# Altium PCB MB1272C_PMIC.PcbDoc (part 2 of 10) (continued)
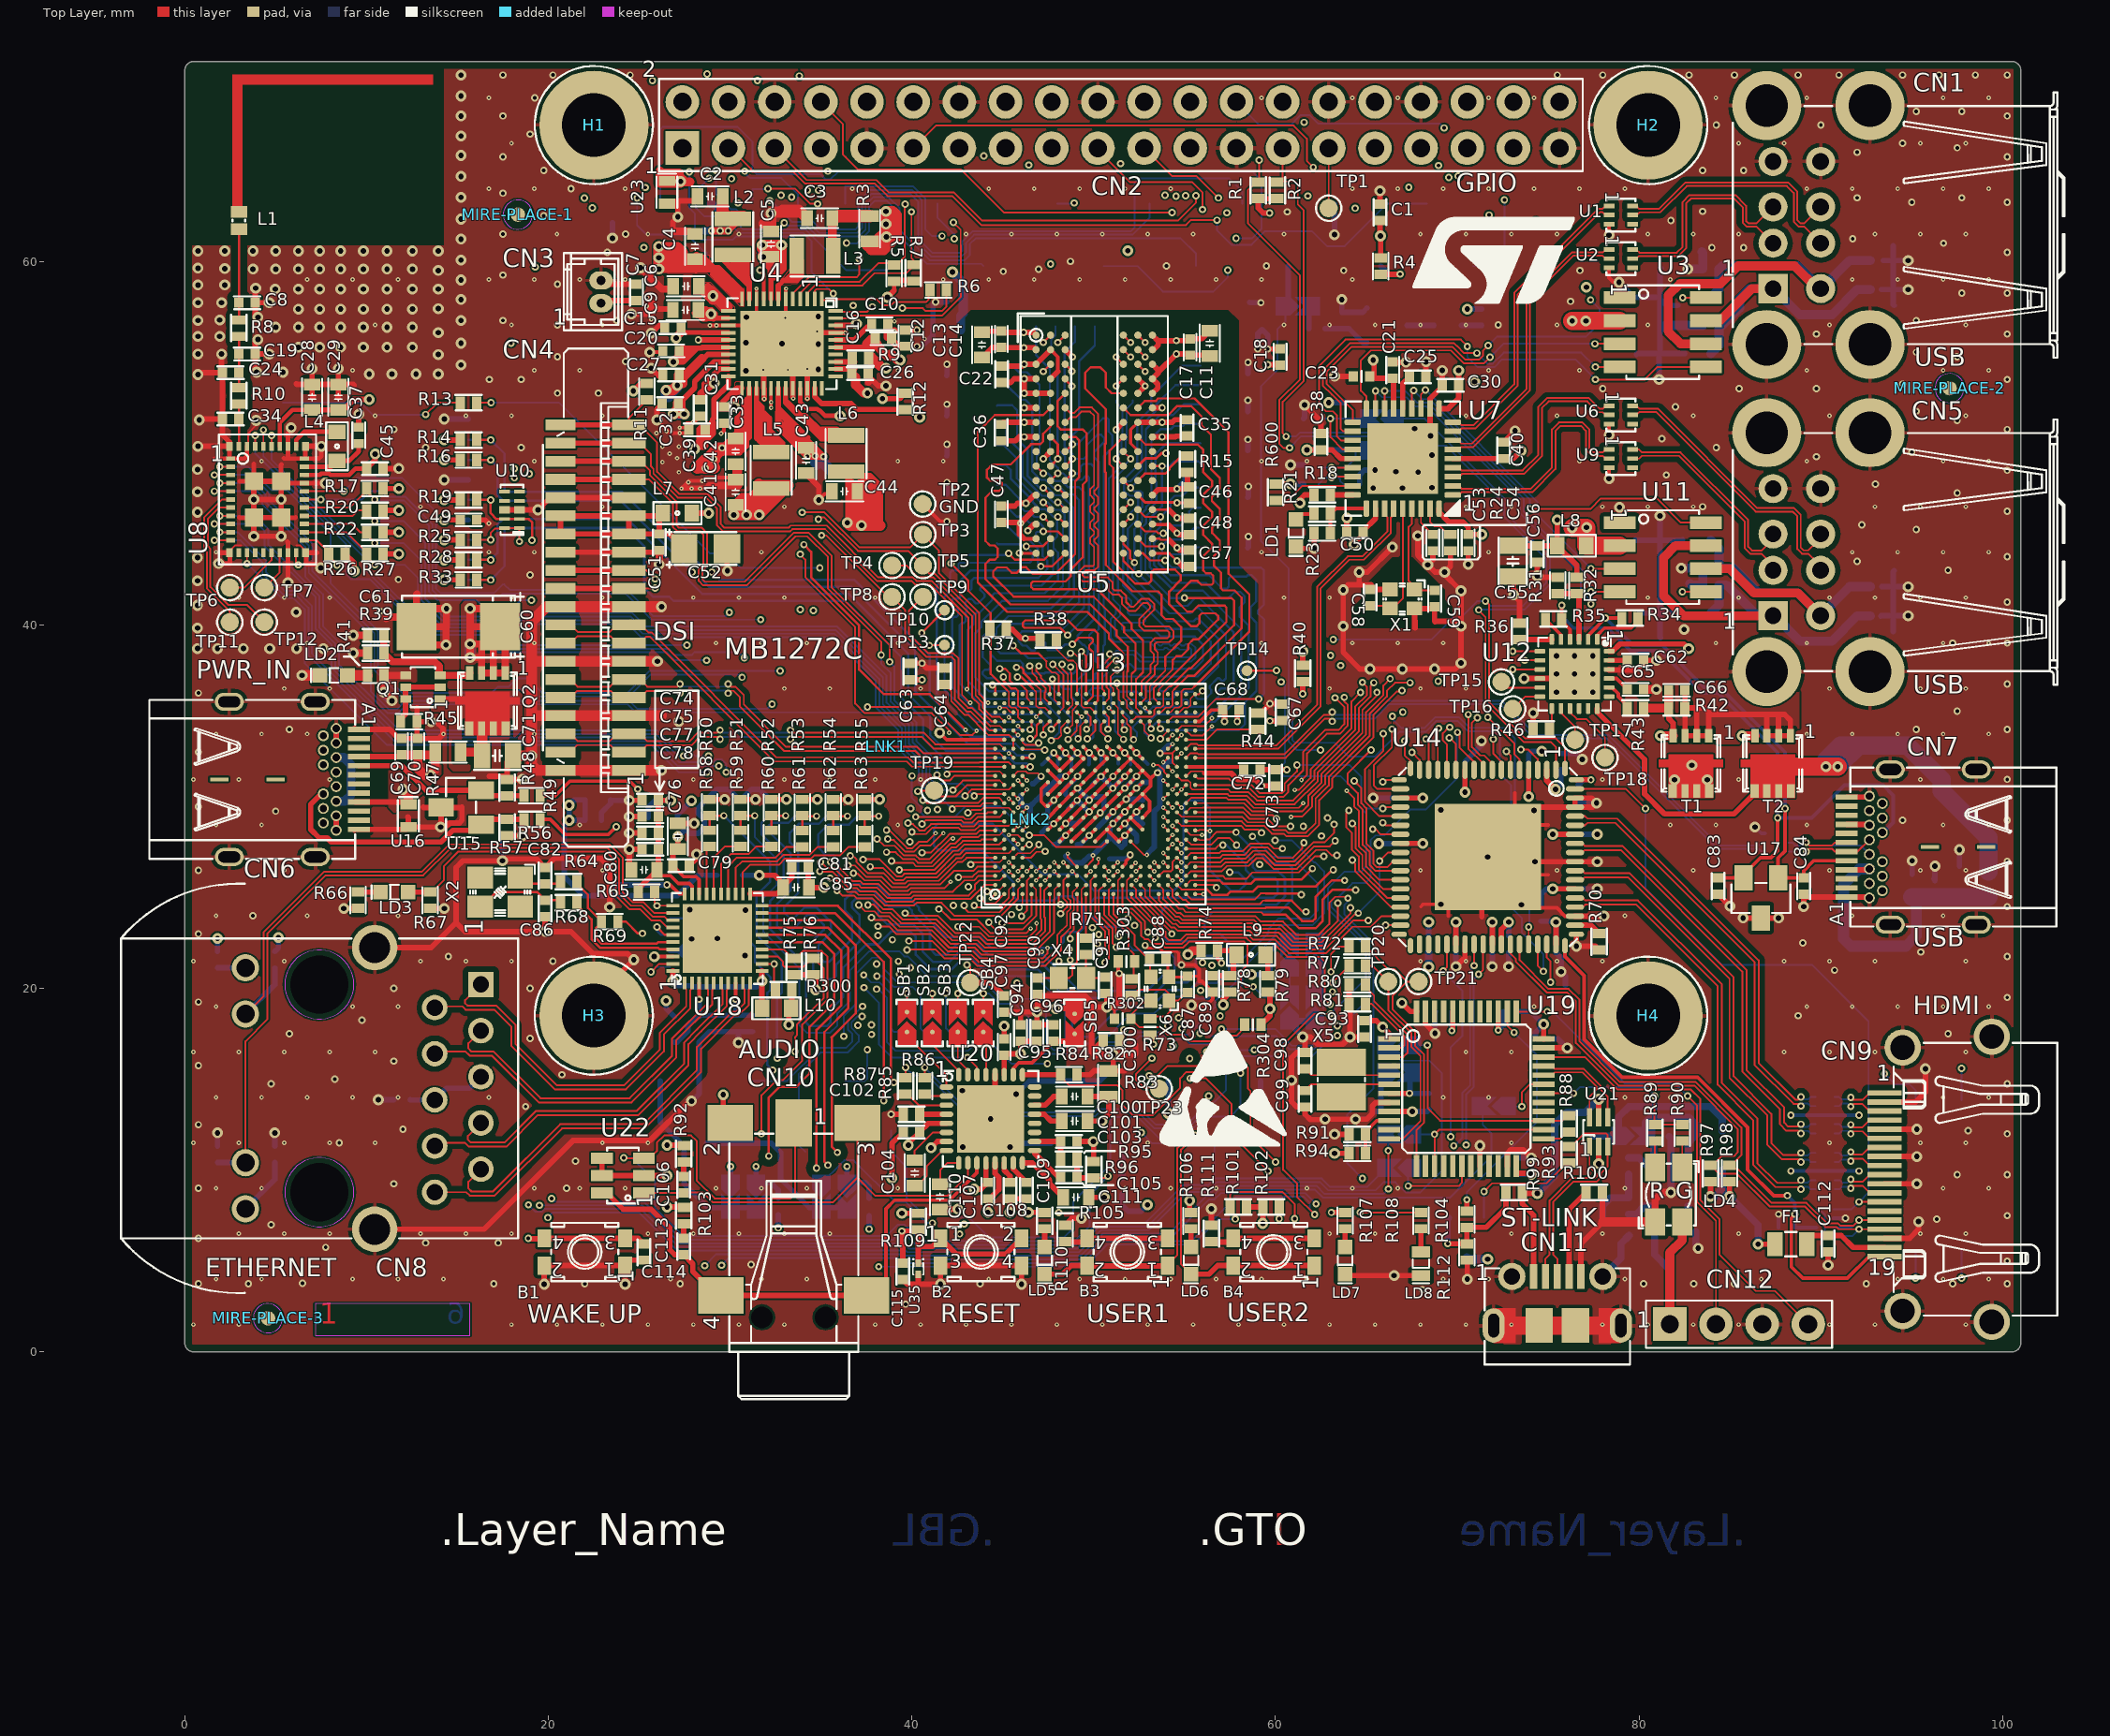
[diagram p0: Top Layer view]
## Footprints (in the part's own frame and the unit in brackets; to place one, negate y for a bottom-side part, rotate by r counter-clockwise, add the part's x,y. Pads: shape width x height; smd on the part's side, far side on the other; paste and mask are expansions set on the pad) (continued)
  silkscreen extent -2.58,-2 2.58,2, body extent -2.57,-3 2.57,3, height 1.75
ICC_TFBGA361_12X12_STM32MP157CAC3_P050-065 [mm] "IPC"
  round 0.23 smd mask+0.05: 1A2(-1.95,2.6) 1A3(-1.3,2.6) 1A4(-0.65,2.6) 1A5(0,2.6) 1A6(0.65,2.6) 1A7(1.3,2.6) 1A8(1.95,2.6) 1B1(-2.6,1.95) 1B2(-1.95,1.95) 1B3(-1.3,1.95) 1B4(-0.65,1.95) 1B5(0,1.95) 1B6(0.65,1.95) 1B7(1.3,1.95) 1B8(1.95,1.95) 1B9(2.6,1.95) 1C1(-2.6,1.3) 1C2(-1.95,1.3) 1C3(-1.3,1.3) 1C4(-0.65,1.3) 1C5(0,1.3) 1C6(0.65,1.3) 1C7(1.3,1.3) 1C8(1.95,1.3) 1C9(2.6,1.3) 1D1(-2.6,0.65) 1D2(-1.95,0.65) 1D3(-1.3,0.65) 1D4(-0.65,0.65) 1D5(0,0.65) 1D6(0.65,0.65) 1D7(1.3,0.65) 1D8(1.95,0.65) 1D9(2.6,0.65) 1E1(-2.6,0) 1E2(-1.95,0) 1E3(-1.3,0) 1E4(-0.65,0) 1E5(0,0) 1E6(0.65,0) 1E7(1.3,0) 1E8(1.95,0) 1E9(2.6,0) 1F1(-2.6,-0.65) 1F2(-1.95,-0.65) 1F3(-1.3,-0.65) 1F4(-0.65,-0.65) 1F5(0,-0.65) 1F6(0.65,-0.65) 1F7(1.3,-0.65) 1F8(1.95,-0.65) 1F9(2.6,-0.65) 1G1(-2.6,-1.3) 1G2(-1.95,-1.3) 1G3(-1.3,-1.3) 1G4(-0.65,-1.3) 1G5(0,-1.3) 1G6(0.65,-1.3) 1G7(1.3,-1.3) 1G8(1.95,-1.3) 1G9(2.6,-1.3) 1H1(-2.6,-1.95) 1H2(-1.95,-1.95) 1H3(-1.3,-1.95) 1H4(-0.65,-1.95) 1H5(0,-1.95) 1H6(0.65,-1.95) 1H7(1.3,-1.95) 1H8(1.95,-1.95) 1H9(2.6,-1.95) 1J2(-1.95,-2.6) 1J3(-1.3,-2.6) 1J4(-0.65,-2.6) 1J5(0,-2.6) 1J6(0.65,-2.6) 1J7(1.3,-2.6) 1J8(1.95,-2.6) A1(-5.5,5.5) A2(-5,5.5) A3(-4.5,5.5) A4(-4,5.5) A5(-3.5,5.5) A7(-2.5,5.5) A8(-2,5.5) A10(-1,5.5) A11(-0.5,5.5) A13(0.5,5.5) A14(1,5.5) A16(2,5.5) A17(2.5,5.5) A19(3.5,5.5) A20(4,5.5) A21(4.5,5.5) A22(5,5.5) A23(5.5,5.5) AA1(-5.5,-4.5) AA2(-5,-4.5) AA3(-4.5,-4.5) AA4(-4,-4.5) AA5(-3.5,-4.5) AA6(-3,-4.5) AA7(-2.5,-4.5) AA8(-2,-4.5) AA9(-1.5,-4.5) AA10(-1,-4.5) AA11(-0.5,-4.5) AA12(0,-4.5) AA13(0.5,-4.5) AA14(1,-4.5) AA15(1.5,-4.5) AA16(2,-4.5) AA17(2.5,-4.5) AA18(3,-4.5) AA19(3.5,-4.5) AA20(4,-4.5) AA21(4.5,-4.5) AA22(5,-4.5) AA23(5.5,-4.5) AB1(-5.5,-5) AB2(-5,-5) AB3(-4.5,-5) AB4(-4,-5) AB5(-3.5,-5) AB6(-3,-5) AB7(-2.5,-5) AB8(-2,-5) AB9(-1.5,-5) AB10(-1,-5) AB11(-0.5,-5) AB12(0,-5) AB13(0.5,-5) AB14(1,-5) AB15(1.5,-5) AB16(2,-5) AB17(2.5,-5) AB18(3,-5) AB19(3.5,-5) AB20(4,-5) AB21(4.5,-5) AB22(5,-5) AB23(5.5,-5) AC1(-5.5,-5.5) AC2(-5,-5.5) AC3(-4.5,-5.5) AC4(-4,-5.5) AC5(-3.5,-5.5) AC7(-2.5,-5.5) AC8(-2,-5.5) AC10(-1,-5.5) AC11(-0.5,-5.5) AC13(0.5,-5.5) AC14(1,-5.5) AC16(2,-5.5) AC17(2.5,-5.5) AC19(3.5,-5.5) AC20(4,-5.5) AC21(4.5,-5.5) AC22(5,-5.5) AC23(5.5,-5.5) B1(-5.5,5) B2(-5,5) B3(-4.5,5) B4(-4,5) B5(-3.5,5) B6(-3,5) B7(-2.5,5) B8(-2,5) B9(-1.5,5) B10(-1,5) B11(-0.5,5) B12(0,5) B13(0.5,5) B14(1,5) B15(1.5,5) B16(2,5) B17(2.5,5) B18(3,5) B19(3.5,5) B20(4,5) B21(4.5,5) B22(5,5) B23(5.5,5) C1(-5.5,4.5) C2(-5,4.5) C3(-4.5,4.5) C4(-4,4.5) C5(-3.5,4.5) C6(-3,4.5) C7(-2.5,4.5) C8(-2,4.5) C9(-1.5,4.5) C10(-1,4.5) C11(-0.5,4.5) C12(0,4.5) C13(0.5,4.5) C14(1,4.5) C15(1.5,4.5) C16(2,4.5) C17(2.5,4.5) C18(3,4.5) C19(3.5,4.5) C20(4,4.5) C21(4.5,4.5) C22(5,4.5) C23(5.5,4.5) D1(-5.5,4) D2(-5,4) D3(-4.5,4) D4(-4,4) D5(-3.5,4) D6(-3,4) D7(-2.5,4) D8(-2,4) D9(-1.5,4) D10(-1,4) D11(-0.5,4) D12(0,4) D13(0.5,4) D14(1,4) D15(1.5,4) D16(2,4) D17(2.5,4) D18(3,4) D19(3.5,4) D20(4,4) D21(4.5,4) D22(5,4) D23(5.5,4) E1(-5.5,3.5) E2(-5,3.5) E3(-4.5,3.5) E4(-4,3.5) E20(4,3.5) E21(4.5,3.5) E22(5,3.5) E23(5.5,3.5) F2(-5,3) F3(-4.5,3) F4(-4,3) F20(4,3) F21(4.5,3) F22(5,3) G1(-5.5,2.5) G2(-5,2.5) G3(-4.5,2.5) G4(-4,2.5) G20(4,2.5) G21(4.5,2.5) G22(5,2.5) G23(5.5,2.5) H1(-5.5,2) H2(-5,2) H3(-4.5,2) H4(-4,2) H20(4,2) H21(4.5,2) H22(5,2) H23(5.5,2) J2(-5,1.5) J3(-4.5,1.5) J4(-4,1.5) J20(4,1.5) J21(4.5,1.5) J22(5,1.5) K1(-5.5,1) K2(-5,1) K3(-4.5,1) K4(-4,1) K20(4,1) K21(4.5,1) K22(5,1) K23(5.5,1) L1(-5.5,0.5) L2(-5,0.5) L3(-4.5,0.5) L4(-4,0.5) L20(4,0.5) L21(4.5,0.5) L22(5,0.5) L23(5.5,0.5) M2(-5,0) M3(-4.5,0) M4(-4,0) M20(4,0) M21(4.5,0) M22(5,0) N1(-5.5,-0.5) N2(-5,-0.5) N3(-4.5,-0.5) N4(-4,-0.5) N20(4,-0.5) N21(4.5,-0.5) N22(5,-0.5) N23(5.5,-0.5) P1(-5.5,-1) P2(-5,-1) P3(-4.5,-1) P4(-4,-1) P20(4,-1) P21(4.5,-1) P22(5,-1) P23(5.5,-1) R2(-5,-1.5) R3(-4.5,-1.5) R4(-4,-1.5) R20(4,-1.5) R21(4.5,-1.5) R22(5,-1.5) T1(-5.5,-2) T2(-5,-2) T3(-4.5,-2) T4(-4,-2) T20(4,-2) T21(4.5,-2) T22(5,-2) T23(5.5,-2) U1(-5.5,-2.5) U2(-5,-2.5) U3(-4.5,-2.5) U4(-4,-2.5) U20(4,-2.5) U21(4.5,-2.5) U22(5,-2.5) U23(5.5,-2.5) V2(-5,-3) V3(-4.5,-3) V4(-4,-3) V20(4,-3) V21(4.5,-3) V22(5,-3) W1(-5.5,-3.5) W2(-5,-3.5) W3(-4.5,-3.5) W4(-4,-3.5) W20(4,-3.5) W21(4.5,-3.5) W22(5,-3.5) W23(5.5,-3.5) Y1(-5.5,-4) Y2(-5,-4) Y3(-4.5,-4) Y4(-4,-4) Y5(-3.5,-4) Y6(-3,-4) Y7(-2.5,-4) Y8(-2,-4) Y9(-1.5,-4) Y10(-1,-4) Y11(-0.5,-4) Y12(0,-4) Y13(0.5,-4) Y14(1,-4) Y15(1.5,-4) Y16(2,-4) Y17(2.5,-4) Y18(3,-4) Y19(3.5,-4) Y20(4,-4) Y21(4.5,-4) Y22(5,-4) Y23(5.5,-4)
  silkscreen extent -6.25,-6.07 6.07,6.25, body extent -6.07,-6.07 6.07,6.07, height 1.21
ICC_WFQFN44-EPAD_5X6_P040 [mm]
  rect 0.8x0.2 smd mask+0.05: 1(-2.45,2.2) 2(-2.45,1.8) 3(-2.45,1.4) 4(-2.45,1) 5(-2.45,0.6) 6(-2.45,0.2) 7(-2.45,-0.2) 8(-2.45,-0.6) 9(-2.45,-1) 10(-2.45,-1.4) 11(-2.45,-1.8) 12(-2.45,-2.2) 23(2.45,-2.2) 24(2.45,-1.8) 25(2.45,-1.4) 26(2.45,-1) 27(2.45,-0.6) 28(2.45,-0.2) 29(2.45,0.2) 30(2.45,0.6) 31(2.45,1) 32(2.45,1.4) 33(2.45,1.8) 34(2.45,2.2)
  rect 0.2x0.8 smd mask+0.05: 13(-1.8,-2.95) 14(-1.4,-2.95) 15(-1,-2.95) 16(-0.6,-2.95) 17(-0.2,-2.95) 18(0.2,-2.95) 19(0.6,-2.95) 20(1,-2.95) 21(1.4,-2.95) 22(1.8,-2.95) 35(1.8,2.95) 36(1.4,2.95) 37(1,2.95) 38(0.6,2.95) 39(0.2,2.95) 40(-0.2,2.95) 41(-0.6,2.95) 42(-1,2.95) 43(-1.4,2.95) 44(-1.8,2.95)
  rect 3.6x4.6 smd paste-1.8 mask+0.05: ep(0,0)
  silkscreen extent -2.5,-3 2.5,3, body extent -2.5,-3 2.5,3, height 0.81
IND_0402_MURATA_LQW15AN2N4C00X [mm]
  rect 0.65x0.9 smd mask+0.05: 1(-0.475,0) 2(0.475,0)
  silkscreen extent -0.05,-0.35 0.05,0.35, body extent -0.55,-0.35 0.55,0.35, height 0.6
IND_2520_TOKO_DFE252012P [mm]
  rect 0.8x2 smd mask+0.05: 1(-1,0) 2(1,0)
  silkscreen extent -1.35,-1.12 1.35,1.12, body extent -1.35,-1.1 1.35,1.1, height 2
L0603 [mm]
  rect 0.8x0.95 smd mask+0.05: 1(-0.8,0) 2(0.8,0)
  silkscreen extent -1.33,-0.6 1.33,0.6, body extent -0.87,-0.47 0.87,0.47, height 0.95
L1210_LQH [mm]
  rect 1.7x3.1 smd mask+0.05: 1(-1.1,0) 2(1.1,0)
  silkscreen extent -2.05,-1.65 2.05,1.65, body extent -1.75,-1.35 1.75,1.35, height 2
LED_0603_GREEN [mm]
  rect 0.8x0.8 smd mask+0.05: 1(-0.75,0) 2(0.75,0)
  silkscreen extent -0.25,-0.4 1.25,0.4, body extent -0.8,-0.4 0.8,0.4, height 0.6
LED_0603_ORANGE_H0P4 [mm]
  rect 0.8x0.8 smd mask+0.05: 1(-0.75,0) 2(0.75,0)
  silkscreen extent -0.25,-0.4 1.25,0.4, body extent -0.8,-0.4 0.79,0.4, height 0.4
LED_0603_RED [mm]
  rect 0.8x0.8 smd mask+0.05: 1(-0.75,0) 2(0.75,0)
  silkscreen extent -0.25,-0.4 1.25,0.4, body extent -0.8,-0.4 0.8,0.4, height 0.6
LED_0603_SMD-B_BLUE_H0P4 [mm]
  rect 0.6x1 smd mask+0.05: 1(-0.65,0) 2(0.65,0)
  silkscreen extent -0.23,-0.45 1.07,0.45, body extent -0.85,-0.45 0.85,0.45, height 0.5
LED_BI-GR_HSMF-A201-A00J1 [mm]
  rect 1.1x1.5 smd mask+0.05: 1(-0.75,-1.5) 2(-0.75,1.5) 3(0.75,1.5) 4(0.75,-1.5)
  silkscreen extent -1.65,-1.85 1.65,1.85, body extent -1.5,-1.85 1.5,1.85, height 2.1
LINK200#1 [mm]
  rect 0.2x0.35 on Mid4 paste-10 mask+0.05: 1(0,-0.225) 2(0,0.225)
LINK200#2 [mm]
  rect 0.2x0.35 on Mid3 paste-10 mask+0.05: 1(0,-0.225) 2(0,0.225)
MIRE_PLACE_SMD_0P8MM [mm]
  round 0.8 smd paste-10 mask+0.2: 1(0,0)
  Top Layer keep-out circle w0.01: c0,0 r0.804
MOD_WLAN-BT_MURATA_LBEE5KL1DX-883 [mm]
  rect 0.25x0.5 smd mask+0.05: 1(-2.25,-2.025) 2(-1.8,-2.025) 3(-1.35,-2.025) 4(-0.9,-2.025) 5(-0.45,-2.025) 6(0,-2.025) 7(0.45,-2.025) 8(0.9,-2.025) 9(1.35,-2.025) 10(1.8,-2.025) 11(2.25,-2.025) 22(2.25,2.025) 23(1.8,2.025) 24(1.35,2.025) 25(0.9,2.025) 26(0.45,2.025) 27(0,2.025) 28(-0.45,2.025) 29(-0.9,2.025) 30(-1.35,2.025) 31(-1.8,2.025) 32(-2.25,2.025)
  rect 0.5x0.375 smd mask+0.05: 12(2.925,-2.087) 21(2.925,2.087) 33(-2.925,2.087) 42(-2.925,-2.087)
  rect 0.5x0.25 smd mask+0.05: 13(2.925,-1.575) 14(2.925,-1.125) 15(2.925,-0.675) 16(2.925,-0.225) 17(2.925,0.225) 18(2.925,0.675) 19(2.925,1.125) 20(2.925,1.575) 34(-2.925,1.575) 35(-2.925,1.125) 36(-2.925,0.675) 37(-2.925,0.225) 38(-2.925,-0.225) 39(-2.925,-0.675) 40(-2.925,-1.125) 41(-2.925,-1.575)
  rect 1x1 smd mask+0.05: 43(-1,-0.75) 44(1,-0.75) 45(-1,0.75) 46(1,0.75)
  silkscreen extent -3.57,-2.68 3.57,2.68, body extent -3.57,-2.68 3.57,2.68, height 1.11
MOS_POWERFLAT_3P3X3P3_P065 [mm]
  rect 0.4x0.75 smd mask+0.05: 1(-0.975,-1.525) 2(-0.325,-1.525) 3(0.325,-1.525) 4(0.975,-1.525) 6(0.325,1.525) 7(-0.325,1.525)
  rect 0.45x0.75 smd mask+0.05: 5(1,1.525) 8(-1,1.525)
  Top Layer region: -1.755,0.2 -1.755,-0.2 -1.225,-0.2 -1.225,-0.5 1.225,-0.5 1.225,-0.2 1.755,-0.2 1.755,0.2 1.225,0.2 1.225,1.9 -1.225,1.9 -1.225,0.2
  silkscreen extent -1.63,-1.55 1.63,1.55, body extent -1.75,-1.75 1.75,1.75, height 0.91
NPN_SOT23 [mm]
  rect 1x1.4 smd mask+0.05: 1(-0.95,-1.1) 2(0.95,-1.1) 3(0,1.1)
  silkscreen extent -1.63,-0.82 1.63,0.82, body extent -1.56,-1.25 1.56,1.25, height 1.1
PTH_M1261-3005-N_3P5X6_M3_H14 [mm]
  round 6 hole 3.5 mask+0.05: 1(0,0)
  silkscreen extent -3.25,-3.25 3.25,3.25, body extent -2.5,-2.5 2.5,2.5, height 14
R0402 [mm]
  rect 0.51x0.7 smd mask+0.05: 1(-0.45,0) 2(0.45,0)
  silkscreen extent -0.72,-0.43 0.72,0.43, body extent -0.52,-0.3 0.52,0.3, height 0.4
R0603 [mm]
  rect 0.64x1 smd mask+0.05: 1(-0.7,0) 2(0.7,0)
  silkscreen extent -1.05,-0.58 1.05,0.58, body extent -0.9,-0.5 0.9,0.5, height 0.56
R0805 [mm]
  rect 0.85x1.3 smd mask+0.05: 1(-0.875,0) 2(0.875,0)
  silkscreen extent -0.33,-0.67 0.33,0.67, body extent -1.05,-0.68 1.05,0.68, height 0.65
REG_SOT23-5L [mm]
  rect 0.6x1.3 smd mask+0.05: 1(-0.95,-1.1) 2(0,-1.1) 3(0.95,-1.1) 4(0.95,1.1) 5(-0.95,1.1)
  silkscreen extent -1.6,-0.95 1.6,0.97, body extent -1.52,-1.25 1.52,1.25, height 1.1
SOLDER-BRIDGE_R0603-0R [mil]
  round 10 smd paste-393.7: 1(-19.68,0) 2(23.62,0)
  Top Layer region: -47.24,-19.68 -47.24,19.69 -15.75,19.69 3.94,0 -15.75,-19.68 -47.24,-19.68
  Top Layer region: -5.91,19.69 13.78,0 -5.91,-19.68 47.24,-19.68 47.24,19.69 -5.91,19.69
  silkscreen extent -50,-23 50,23, body extent -36,-20 36,20, height 22
SWI_C&K_SDA02H1SBD_2POS [mm]
  rect 1.5x2.15 smd mask+0.05: 1(-1.27,-4.125) 2(1.27,-4.125) 3(1.27,4.125) 4(-1.27,4.125)
  silkscreen extent -3.55,-3.75 3.55,3.75, body extent -3.53,-4.65 3.53,4.65, height 5.45
SWI_JIUBABA_C-TS-02H-2-5-B-V-T_R_BLUE [mm] "BLUE"
  rect 0.75x1 smd mask+0.05: 1(-2.225,0.75) 2(2.225,0.75) 3(-2.225,-0.75) 4(2.225,-0.75)
  silkscreen extent -1.85,-1.6 1.85,1.6, body extent -2.45,-1.6 2.45,1.6, height 2.6
SWI_JIUBABA_C-TS-02H-2-5-K-V-T_R_BLACK [mm] "BLACK"
  rect 0.75x1 smd mask+0.05: 1(-2.225,0.75) 2(2.225,0.75) 3(-2.225,-0.75) 4(2.225,-0.75)
  silkscreen extent -1.85,-1.6 1.85,1.6, body extent -2.45,-1.6 2.45,1.6, height 2.6
TP_SMD_0-6MM [mm]
  round 0.6 smd paste-10 mask+0.05: 1(0,0)
  silkscreen extent -0.5,-0.5 0.5,0.5
TP_SMD_1MM [mm]
  round 1 smd paste-10 mask+0.05: 1(0,0)
  silkscreen extent -0.7,-0.7 0.7,0.7

## Part data
B1 B3 B4: library part MCD-00172, "Switch HW SMD blue", Manufacturer=JIUBABA, Manufacturer_Part_Number="C-TS-02H-2.5-B-V-T/R BLUE", ComponentLink1Description=Datasheet, ComponentLink1URL=http://tunmcdsvn.tun.st.com/Component_Datasheet_Library/Trunk/Misc/Jiubaba_TS-02H-H2-5, Initial_Board_Reference=MB1264, Internal_Part_Number=MCD-00172, Part_Type=Misc, Provided_By=SUBCO, Status=Checked
B2: library part MCD-00171, "Switch HW SMD black", Manufacturer=JIUBABA, Manufacturer_Part_Number="C-TS-02H-2.5-K-V-T/R BLACK", ComponentLink1Description=Datasheet, ComponentLink1URL=http://tunmcdsvn.tun.st.com/Component_Datasheet_Library/Trunk/Misc/Jiubaba_TS-02H-H2-5, Initial_Board_Reference=MB1264, Internal_Part_Number=MCD-00171, Part_Type=Misc, Provided_By=SUBCO, Status=Checked
C1 C7 C14 C17 C22 C35 C36 C45 C46 C47 C48 C51 C57 C61 C68 C70 C74 C75 C77 C78 C79 C81 C93 C95 C96 C97 C103 C107 C119 C120 C125 C126 C127 C128 C129 C130 C131 C132 C134 C135 C139 C140 C141 C142 C149 C154 C157 C160 C164 C168 C169 C170 C171 C172 C174 C175 C176 C177 C178 C179 C181 C182 C183 C184 C186 C187 C188: library part MCD-00006, "Capacitor,100nF,16V,X7R,10%,0402", Alternate_Manufacturer=MURATA, Alternate_Manufacturer_Part_Number=GCM155R71C104KA55D, Manufacturer=YAGEO, Manufacturer_Part_Number=CC0402KRX7R7BB104, Package=C0402, ComponentLink1Description=Datasheet, ComponentLink1URL=http://tunmcdsvn.tun.st.com/Component_Datasheet_Library/Trunk/Capacitors/Yageo_Multilayer_Capacitor_X7R_series_100pF_to_22uF, ECCN_EU=n/a, ECCN_US=n/a, Internal_Part_Number=MCD-00006, Part_Type=Capacitor, Provided_By=SUBCO, Status=Released
  C1 C14 C17 C22 C35 C36 C46 C47 C48 C51 C57 C61 C68 C70 C74 C75 C77 C78 C79 C81 C93 C95 C96 C97 C103 C107 C119 C120 C125 C126 C127 C128 C129 C130 C131 C132 C134 C135 C140 C141 C142 C154 C157 C160 C164 C168 C169 C170 C171 C172 C174 C175 C176 C177 C178 C179 C181 C182 C183 C184 C186 C187 C188: Initial_Board_Reference=mb1274
  C7 C45 C139 C149: Initial_Board_Reference=MB1274
C2 C3 C42 C44 C121 C122: library part MCD-00100, "Capacitor, MLCC, 22uF, 6V3, X5R, 20%, 0603, T=0,8mm", Manufacturer=MURATA, Manufacturer_Part_Number=GRM188R60J226MEA0J, Package=C0603, ComponentLink1Description=Datasheet, ComponentLink1URL=http://tunmcdsvn.tun.st.com/Component_Datasheet_Library/Trunk/Capacitors/Murata_Capacitor_GR_series, ECCN_EU=NEC, ECCN_US=EAR99, Initial_Board_Reference=mb1262, Internal_Part_Number=MCD-00100, Part_Type=Capacitor, Provided_By=SUBCO, Status=Released
C4 C5 C6 C9 C11 C13 C29 C41 C43: library part MCD-00099, "Capacitor, MLCC, 10uF, 10V, X5R, 10%, 0603, T=0,8mm", Manufacturer=MURATA, Manufacturer_Part_Number=GRM188R61A106KE69D, Package=C0603, ComponentLink1Description=Datasheet, ComponentLink1URL=http://tunmcdsvn.tun.st.com/Component_Datasheet_Library/Trunk/Capacitors/Murata_Capacitor_GR_series, ECCN_EU=NEC, ECCN_US=EAR99, Internal_Part_Number=MCD-00099, Part_Type=Capacitor, Provided_By=SUBCO, Status=Released
  C4 C5 C6 C9 C41 C43: Initial_Board_Reference=mb1262
  C11 C13 C29: Initial_Board_Reference=MB1262
C8 C19 C24 C34: library part MCD-00200, "Capacitor, MLCC, 12pF, 50V, NPO, 5%, 0402, T=0,5mm", Manufacturer=YAGEO, Manufacturer_Part_Number=CC0402JRNPO9BN120, Package=C0402, ComponentLink1Description=Datasheet, ComponentLink1URL=http://tunmcdsvn.tun.st.com/Component_Datasheet_Library/Trunk/Capacitors/Yageo_Capacitor_NP0_16V-to-50V, Internal_Part_Number=MCD-00200, Part_Type=Capacitor, Provided_By=SUBCO, Status="Footprint available"
C10 C16 C20 C23 C26 C31 C32 C33 C37 C49: library part MCD-01356, "Capacitor, MLCC, 4.7uF, 6V3, X5R, 20%, 0402, T=0,5mm", Manufacturer=MURATA, Manufacturer_Part_Number=GRM155R60J475ME47, Package=C0402, ComponentLink1Description=Datasheet, ComponentLink1URL=http://tunmcdsvn.tun.st.com/Component_Datasheet_Library/Trunk/Capacitors/Murata_Capacitor_GR_series, Internal_Part_Number=MCD-01356, Part_Type=Capacitor, Provided_By=SUBCO, Status=Released
C12 C18 C63 C67: library part MCD-00006, "Capacitor, MLCC, 100nF, 16V, X7R, 10%, 0402, T=0.5mm", Alternate_Manufacturer=MURATA, Alternate_Manufacturer_Part_Number=GCM155R71C104KA55D, Manufacturer=YAGEO, Manufacturer_Part_Number=CC0402KRX7R7BB104, Package=C0402, ComponentLink1Description=Datasheet, ComponentLink1URL=http://tunmcdsvn.tun.st.com/Component_Datasheet_Library/Trunk/Capacitors/Yageo_Multilayer_Capacitor_X7R_series_100pF_to_22uF, ECCN_EU=n/a, ECCN_US=n/a, Initial_Board_Reference=MB1274, Internal_Part_Number=MCD-00006, Part_Type=Capacitor, Provided_By=SUBCO, Status=Released
C15 C27 C39 C62 C65: library part MCD-00095, "Capacitor, MLCC, 1uF, 6V3, X5R, 10%, 0402, T=0,5mm", Alternate_Manufacturer=MURATA, Alternate_Manufacturer_Part_Number=GRM155R60J105KE19, Manufacturer_Part_Number=GRM155R61E105KA12, Package=C0402, ComponentLink1Description=Datasheet, ComponentLink1URL=http://tunmcdsvn.tun.st.com/Component_Datasheet_Library/Trunk/Capacitors/Murata_Capacitor_GR_series, ECCN_EU=NEC, ECCN_US=EAR99, Internal_Part_Number=MCD-00095, Manufacturer=MURATA, Part_Type=Capacitor, Provided_By=SUBCO, Status=Released
  C15 C27 C39: Initial_Board_Reference=mb1262
  C62 C65: Initial_Board_Reference=MB1262
C21 C25 C30 C38 C40 C50 C53 C54 C56 C66 C117 C123 C136 C137: library part MCD-00102, "Capacitor, MLCC, 100nF, 16V, X7R, 10%, 0402, T=0,5mm", Alternate_Manufacturer=MURATA, Alternate_Manufacturer_Part_Number=GCM155R71C104KA55D, Manufacturer=YAGEO, Manufacturer_Part_Number=CC0402KRX7R7BB104, Package=C0402, ComponentLink1Description=Datasheet, ComponentLink1URL=http://tunmcdsvn.tun.st.com/Component_Datasheet_Library/Trunk/Capacitors/Yageo_Multilayer_Capacitor_X7R_series_100pF_to_22uF, ECCN_EU=n/a, ECCN_US=n/a, Initial_Board_Reference=MB1262, Internal_Part_Number=MCD-00102, Part_Type=Capacitor, Provided_By=SUBCO, Status=Released
C28: library part MCD-00012, "Capacitor, MLCC, 2.2uF, 10V, X5R, 10%, 0603, T=0,8mm", Alternate_Manufacturer=KEMET, Alternate_Manufacturer_Part_Number=C0603C225K8PACTU, Manufacturer=YAGEO, Manufacturer_Part_Number=CC0603KRX5R6BB225, Package=C0603, ComponentLink1Description=Datasheet, ComponentLink1URL=http://tunmcdsvn.tun.st.com/Component_Datasheet_Library/Trunk/Capacitors/Yageo_Multilayer_capacitor_X5R_series_100pF_to_100uF, ECCN_EU=n/a, ECCN_US=n/a, Initial_Board_Reference=MB1274, Internal_Part_Number=MCD-00012, Part_Type=Capacitor, Provided_By=SUBCO, Status=Released
C52: library part MCD-00199, "Polarized Capacitor,10uF,16V,10%,typeA", Manufacturer=AVX, Manufacturer_Part_Number=TAJA106K016R, Package=C1206, ComponentLink1Description=Datasheet, ComponentLink1URL=http://tunmcdsvn.tun.st.com/Component_Datasheet_Library/Trunk/Capacitors/AVX_Capacitor_TAJ-series, ECCN_EU=NEC, ECCN_US=EAR99, Internal_Part_Number=MCD-00199, Part_Type=Capacitor, Provided_By=SUBCO, Revision="July-2002: Re-released for DXP Platform.", Status="Footprint available"
C55: library part MCD-00204, "Capacitor, MLCC, 47uF, 10V, X5R, 20%, 0805, T=1,25mm", Manufacturer=MURATA, Manufacturer_Part_Number=GRM21BR61A476ME15K, Package=C0805, ComponentLink1Description=Datasheet, ComponentLink1URL=http://tunmcdsvn.tun.st.com/Component_Datasheet_Library/Trunk/Capacitors/Murata_Capacitor_GR_series, ECCN_EU=NEC, ECCN_US=EAR99, Internal_Part_Number=MCD-00204, Part_Type=Capacitor, Provided_By=SUBCO, Status="Footprint available"
C58 C59 C87 C88 C90 C91: library part MCD-00674, "Capacitor, MLCC, 6.8pF, 50V, NPO, +-0.25pF, 0402, T=0.5mm", Manufacturer=YAGEO, Manufacturer_Part_Number=CC0402CRNPO9BN6R8, Package=C0402, ComponentLink1Description=Datasheet, ComponentLink1URL=http://tunmcdsvn.tun.st.com/Component_Datasheet_Library/Trunk/Capacitors/Yageo_Capacitor_NP0_16V-to-50V, Internal_Part_Number=MCD-00674, Part_Type=Capacitor, Provided_By=SUBCO, Status=Released
  C87 C88: ECCN_EU=n/a, ECCN_US=n/a, Initial_Board_Reference=MB1319
  C90 C91: Initial_Board_Reference=MB1319, Item Type=Item, Path=ws/MCD_ApplicationBoards/Lists/MCDPARTSdatabase
C60: library part MCD-00559, "Capacitor, Tantalum, 47uF, 16V, 10%, TypeC", Manufacturer=AVX, Manufacturer_Part_Number=TAJC476K016RNJ, Package=C2312, ComponentLink1Description=Datasheet, ComponentLink1URL=http://tunmcdsvn.tun.st.com/Component_Datasheet_Library/Trunk/Capacitors/AVX_Capacitor_TAJ-series, ECCN_EU=n/a, ECCN_US=n/a, Initial_Board_Reference=MB1331, Internal_Part_Number=MCD-00559, Part_Type=Capacitor, Provided_By=SUBCO, Revision="July-2002: Re-released for DXP Platform.", Status="Footprint available"
C64 C72 C73 C89 C94 C102 C105 C108 C109 C112 C143 C146 C147 C148 C150 C152 C153 C155 C156 C158 C159 C161 C162 C163 C165: library part MCD-00095, "Capacitor,1uF,6V3,X5R,10%,0402", Alternate_Manufacturer=MURATA, Alternate_Manufacturer_Part_Number=GRM155R60J105KE19, Manufacturer_Part_Number=GRM155R61E105KA12, Package=C0402, ComponentLink1Description=Datasheet, ComponentLink1URL=http://tunmcdsvn.tun.st.com/Component_Datasheet_Library/Trunk/Capacitors/Murata_Capacitor_GR_series, ECCN_EU=NEC, ECCN_US=EAR99, Internal_Part_Number=MCD-00095, Manufacturer=MURATA, Part_Type=Capacitor, Provided_By=SUBCO, Status=Released
  C64 C72 C73 C89 C143 C146 C147 C148 C150 C152 C153 C155 C156 C158 C159 C161 C162 C163 C165: Initial_Board_Reference=MB1262
  C94 C102 C105 C108 C109 C112: Initial_Board_Reference=mb1262
C69 C167: library part MCD-00205, "Capacitor, MLCC, 100pF, 50V, NPO, 5%, 0402, T=0,5mm", Manufacturer=YAGEO, Manufacturer_Part_Number=CC0402JRNPO9BN101, Package=C0402, ComponentLink1Description=Datasheet, ComponentLink1URL=http://tunmcdsvn.tun.st.com/Component_Datasheet_Library/Trunk/Capacitors/Yageo_Capacitor_NP0_16V-to-50V, Internal_Part_Number=MCD-00205, Part_Type=Capacitor, Provided_By=SUBCO, Status=Released
C71 C166: library part MCD-00014, "Capacitor, MLCC, 10uF, 25V, X5R, 10%, 0805, T=0,85mm", Manufacturer=YAGEO, Manufacturer_Part_Number=CC0805KRX5R8BB106, Package=C0805, ComponentLink1Description=Datasheet, ComponentLink1URL=http://tunmcdsvn.tun.st.com/Component_Datasheet_Library/Trunk/Capacitors/Yageo_Multilayer_capacitor_X5R_series_100pF_to_100uF, ECCN_EU=n/a, ECCN_US=n/a, Initial_Board_Reference=MB1274, Internal_Part_Number=MCD-00014, Part_Type=Capacitor, Provided_By=SUBCO, Status=Released
C76 C80 C85 C151 C173 C180: library part MCD-00100, "Capacitor,22uF,6V3,X5R,20%,0603", Manufacturer=MURATA, Manufacturer_Part_Number=GRM188R60J226MEA0J, Package=C0603, ComponentLink1Description=Datasheet, ComponentLink1URL=http://tunmcdsvn.tun.st.com/Component_Datasheet_Library/Trunk/Capacitors/Murata_Capacitor_GR_series, ECCN_EU=NEC, ECCN_US=EAR99, Initial_Board_Reference=mb1262, Internal_Part_Number=MCD-00100, Part_Type=Capacitor, Provided_By=SUBCO, Status=Released
C82 C86 C98 C99: library part MCD-00015, "Capacitor,10pF,50V,NPO,5%,0402", Manufacturer=YAGEO, Manufacturer_Part_Number=CC0402JRNPO9BN100, Package=C0402, ComponentLink1Description=Datasheet, ComponentLink1URL=http://tunmcdsvn.tun.st.com/Component_Datasheet_Library/Trunk/Capacitors/Yageo_Capacitor_NP0_16V-to-50V, ECCN_EU=n/a, ECCN_US=n/a, Initial_Board_Reference=mb1274, Internal_Part_Number=MCD-00015, Part_Type=Capacitor, Provided_By=SUBCO, Status=Released
C83 C84: library part MCD-00724, "Capacitor, MLCC, 470pF, 50V, NPO, 5%, 0402, T=0,5mm", Manufacturer=YAGEO, Manufacturer_Part_Number=CC0402JRNPO9BN471, Package=C0402, ComponentLink1Description=Datasheet, ComponentLink1URL=http://tunmcdsvn.tun.st.com/Component_Datasheet_Library/Trunk/Capacitors/Yageo_Capacitor_NP0_16V-to-50V, ECCN_EU=n/a, ECCN_US=n/a, Initial_Board_Reference=MB1271, Internal_Part_Number=MCD-00724, Part_Type=Capacitor, Provided_By=SUBCO, Status=Released
C92 C114 C115 C300: library part MCD-00011, "Capacitor, MLCC, 10nF, 16V, X7R, 10%, 0402, T=0.5mm", Manufacturer=YAGEO, Manufacturer_Part_Number=CC0402KRX7R7BB103, Package=C0402, ComponentLink1Description=Datasheet, ComponentLink1URL=http://tunmcdsvn.tun.st.com/Component_Datasheet_Library/Trunk/Capacitors/Yageo_Multilayer_Capacitor_X7R_series_100pF_to_22uF, ECCN_EU=n/a, ECCN_US=n/a, Internal_Part_Number=MCD-00011, Part_Type=Capacitor, Provided_By=SUBCO, Status=Released
  C92 C115 C300: Initial_Board_Reference=MB1274
  C114: Initial_Board_Reference=mb1274
C100 C101: library part MCD-00304, "Capacitor,150pF,50V,COG,5%,0603", Manufacturer=YAGEO, Manufacturer_Part_Number=CC0603JRNPO9BN151, Package=C0603, ComponentLink1Description=Datasheet, ComponentLink1URL=http://tunmcdsvn.tun.st.com/Component_Datasheet_Library/Trunk/Capacitors/Yageo_Capacitor_NP0_16V-to-50V, ECCN_EU=n/a, ECCN_US=n/a, Initial_Board_Reference=mb1263, Internal_Part_Number=MCD-00304, Part_Type=Capacitor, Provided_By=SUBCO, Status=Released
C104 C110: library part MCD-00010, "Capacitor,1uF,16V,X5R,10%,0603", Manufacturer=YAGEO, Manufacturer_Part_Number=CC0603KRX5R7BB105, Package=C0603, ComponentLink1Description=Datasheet, ComponentLink1URL=http://tunmcdsvn.tun.st.com/Component_Datasheet_Library/Trunk/Capacitors/Yageo_Multilayer_capacitor_X5R_series_100pF_to_100uF, ECCN_EU=n/a, ECCN_US=n/a, Initial_Board_Reference=mb1274, Internal_Part_Number=MCD-00010, Part_Type=Capacitor, Provided_By=SUBCO, Status=Released
C106 C113: library part MCD-00202, "Capacitor,22nF,16V,X7R,10%,0402", Manufacturer=YAGEO, Manufacturer_Part_Number=CC0402KRX7R7BB223, Package=C0402, ComponentLink1Description=Datasheet, ComponentLink1URL=http://tunmcdsvn.tun.st.com/Component_Datasheet_Library/Trunk/Capacitors/Yageo_Multilayer_Capacitor_X7R_series_100pF_to_22uF, Internal_Part_Number=MCD-00202, Part_Type=Capacitor, Provided_By=SUBCO, Status=Checked
C111: library part MCD-00098, "Capacitor,10uF,6V3,X5R,10%,0603", Manufacturer=YAGEO, Manufacturer_Part_Number=CC0603KRX5R5BB106, Package=C0603, ComponentLink1Description=Datasheet, ComponentLink1URL=http://tunmcdsvn.tun.st.com/Component_Datasheet_Library/Trunk/Capacitors/Yageo_Multilayer_capacitor_X5R_series_100pF_to_100uF, ECCN_EU=n/a, ECCN_US=n/a, Initial_Board_Reference=mb1262, Internal_Part_Number=MCD-00098, Part_Type=Capacitor, Provided_By=SUBCO, Status=Released
C118 C124 C133 C138: library part MCD-00104, "Capacitor, MLCC, 220uF, 6V3, X5R, 20%, 1206, T=1,6mm", Manufacturer=MURATA, Manufacturer_Part_Number=GRM31CR60J227ME11, Package=C1206, ComponentLink1Description=Datasheet, ComponentLink1URL=http://tunmcdsvn.tun.st.com/Component_Datasheet_Library/Trunk/Capacitors/Murata_Capacitor_GR_series, ECCN_EU=NEC, ECCN_US=EAR99, Initial_Board_Reference=MB1262, Internal_Part_Number=MCD-00104, Part_Type=Capacitor, Provided_By=SUBCO, Status=Released
C144 C145: library part MCD-00198, "Capacitor,1nF,16V,X7R,10%,0402", Manufacturer=YAGEO, Manufacturer_Part_Number=CC0402KRX7R7BB102, Package=C0402, ComponentLink1Description=Datasheet, ComponentLink1URL=http://tunmcdsvn.tun.st.com/Component_Datasheet_Library/Trunk/Capacitors/Yageo_Multilayer_Capacitor_X7R_series_100pF_to_22uF, Internal_Part_Number=MCD-00198, Part_Type=Capacitor, Provided_By=SUBCO, Status=Released
C185 C190: library part MCD-00238, "Capacitor,1uF,6V3,X5R,10%,0603", Manufacturer=YAGEO, Manufacturer_Part_Number=CC0603KRX5R5BB105, Package=C0603, ComponentLink1Description=Datasheet, ComponentLink1URL=http://tunmcdsvn.tun.st.com/Component_Datasheet_Library/Trunk/Capacitors/Yageo_Multilayer_capacitor_X5R_series_100pF_to_100uF, ECCN_EU=n/a, ECCN_US=n/a, Initial_Board_Reference=mb1319, Internal_Part_Number=MCD-00238, Part_Type=Capacitor, Provided_By=SUBCO, Status=Released
C189: library part MCD-00011, "Capacitor,10nF,16V,X7R,10%,0402", Manufacturer=YAGEO, Manufacturer_Part_Number=CC0402KRX7R7BB103, Package=C0402, ComponentLink1Description=Datasheet, ComponentLink1URL=http://tunmcdsvn.tun.st.com/Component_Datasheet_Library/Trunk/Capacitors/Yageo_Multilayer_Capacitor_X7R_series_100pF_to_22uF, ECCN_EU=n/a, ECCN_US=n/a, Initial_Board_Reference=mb1274, Internal_Part_Number=MCD-00011, Part_Type=Capacitor, Provided_By=SUBCO, Status=Released